# Allegro board 1140022-KU060_PCIE_FIBER_BOARD_V001_pcb166_20240120_1835_pcb.brd (continued)
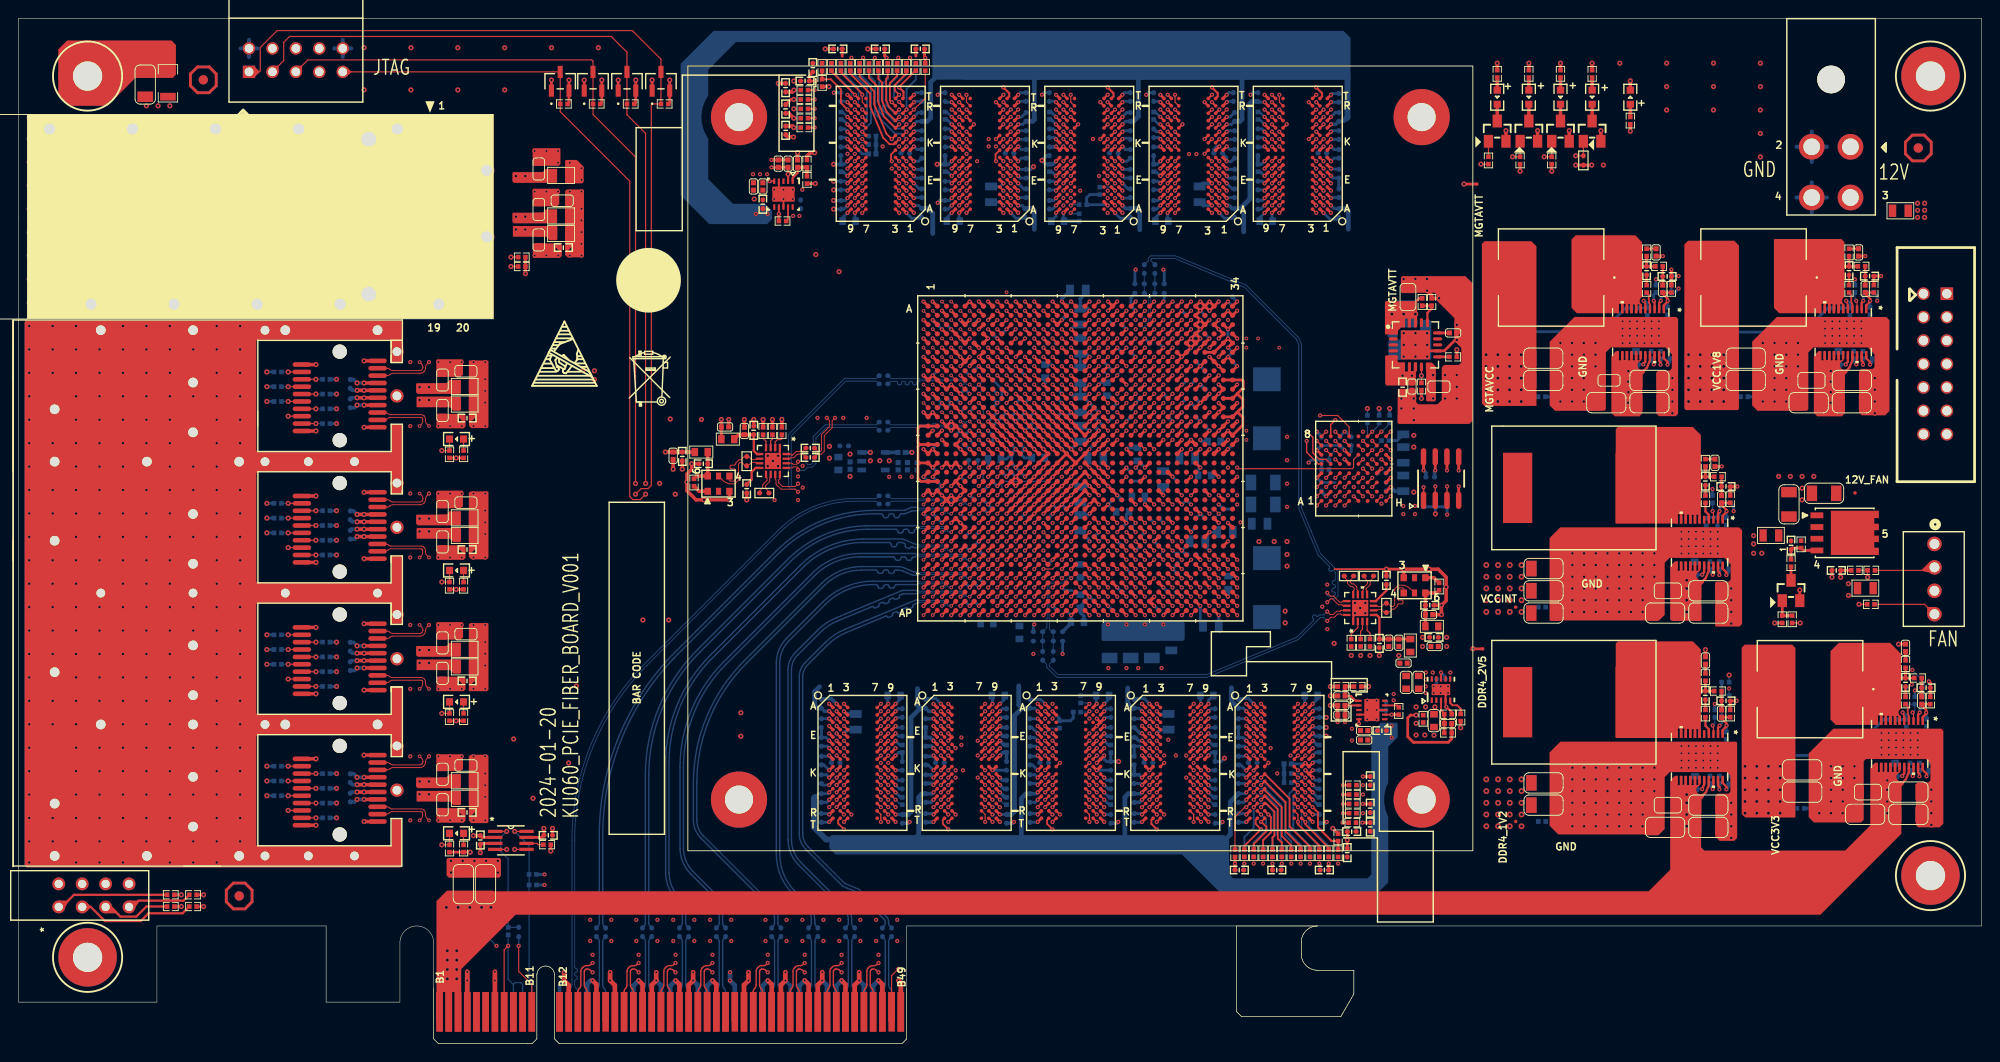
[diagram p0: board, top side]
## Routing (per net, layer and track width the routed paths; a pad name or vN(x,y) marks a point on that pad's centre or on a via; arc(x,y) is an arc through that point) (continued)
N28554380: length 1.4
  TOP w0.381: DS11.1 R701.2
N28593772: length 1.3
  TOP w0.127: R1266.1 48.25,22.8 DS14.1
N28598027: length 4.2
  TOP w0.381: L150.1 C1420.1 X3.6 73.53,61.53 R748.1
N28598035: length 1.7
  TOP w0.381: R748.2 73.78,59.88 X3.1
N28684983: length 4.8
  TOP w0.254: C1399.1 79.71,64.27 80.06,63.92 U131.5
  TOP w0.381: L238.2 78.08,66.02 C1393.1 C1399.1
N28685305: length 1.5
  TOP w0.127: U131.3 81.54,65.36 81.74,65.56 R1245.2
N28685309: length 1.5
  TOP w0.127: R1244.2 80.72,65.61 81.04,65.29 U131.4
N28685388: length 1.9
  TOP w0.127: U131.2 82.04,65.25 82.27,65.48 82.65,65.48 82.75,65.58 R1279.2
N28686665: length 2.4
  TOP w0.102: R1280.2 80.34,59.92 80.68,60.26 80.68,60.6 81.14,61.06 81.14,61.3 81.04,61.41 U131.9
N28686668: length 2.4
  TOP w0.102: R1280.1 81.36,59.82 80.98,60.2 80.98,60.48 81.43,60.94 81.43,61.29 81.54,61.39 U131.10
N28686714: length 2.6
  TOP w0.102: R1281.1 143.71,50.57 144.07,50.21 144.07,49.89 144.42,49.55 144.63,49.55 144.79,49.38 144.79,49.19 144.69,49.09 U129.12
N28686727: length 2.6
  TOP w0.102: R1281.2 144.73,50.6 144.37,50.24 144.37,50.01 144.54,49.84 144.75,49.84 145.09,49.5 145.09,49.22 145.19,49.12 U129.11
N28686755: length 2.4
  TOP w0.102: U129.10 145.69,49.1 145.79,49.2 145.79,49.43 146.23,49.87 146.23,50.19 145.87,50.55 R1282.1
N28686768: length 2.4
  TOP w0.102: U129.9 146.19,49.08 146.09,49.19 146.09,49.31 146.53,49.75 146.53,50.19 146.89,50.55 R1282.2
N28687765: length 1.4
  BOTTOM w0.381: C2512.2 U329.4
N238651613: length 2
  TOP w0.254: U114.4 183.24,34.09 182.87,34.45 R895.1
N238674911: length 7.3
  TOP w0.155: U1.AA9 v1(106.11,59.45)
  BOTTOM w0.127: v1(106.11,59.45) 106.6,59.94 106.6,60.76 106.79,60.95 R2.2
N241274570: length 2
  TOP w0.254: U108.4 183.24,57.33 182.87,57.7 R585.1
N244440853: length 1.9
  TOP w0.203: R919.2 176.73,81.19 176.73,80.42 176.86,80.11 U111.4
N273868450: length 1
  TOP w0.254: R889.1 C1550.2
N273966991: length 1
  TOP w0.305: C1552.2 R915.1
N273990301: length 1
  TOP w0.254: R926.1 C1563.2
N285004771: length 1
  TOP w0.254: R916.1 C1553.2
N285005001: length 1
  TOP w0.305: C1554.2 R917.1
N285016953: length 1.9
  TOP w0.203: U115.4 198.8,80.11 198.68,80.42 198.68,81.19 R1251.2
N285042511: length 1.9
  TOP w0.203: U116.4 204.92,35.48 204.8,35.78 204.8,36.56 R1252.2
N2378000220: length 1.4
  TOP w0.305: U1.AP5 v1(102.11,46.45)
  BOTTOM w0.305: R67.2 102.59,46.94 v1(102.11,46.45)

## Copper pours and planes (outline as drawn; the poured copper is in the pictures)
GND on TOP (solid shape): 52.3,19.99 52.3,18.16 52.12,17.98 46.66,17.98 46.41,18.24 46.41,19.96 46.56,20.12 52.17,20.12
GND on TOP (solid shape): 48.18,31.29 48.18,29.79 47.93,29.54 45.36,29.54 45.29,29.62 45.29,31.32 45.34,31.37 48.11,31.37
GND on TOP (solid shape): 48.18,74.12 48.18,72.54 47.93,72.29 45.36,72.29 45.29,72.37 45.29,74.09 45.39,74.19 48.11,74.19
GND on TOP (solid shape): 48.18,59.87 48.18,58.29 47.93,58.04 45.36,58.04 45.29,58.12 45.29,59.84 45.39,59.95 48.11,59.95
GND on TOP (solid shape): 48.18,45.62 48.18,44.04 47.93,43.79 45.36,43.79 45.29,43.87 45.29,45.59 45.39,45.7 48.11,45.7
GND on TOP (solid shape): 58.62,92.61 58.62,91.03 58.37,90.78 55.8,90.78 55.73,90.86 55.73,92.58 55.83,92.69 58.55,92.69
GND on TOP (solid shape): 58.75,97.03 58.75,95.35 58.57,95.17 55.8,95.17 55.73,95.25 55.73,96.98 55.83,97.08 58.7,97.08
GND on TOP (solid shape): 48.46,68.12 48.46,66.91 48.26,66.7 45.36,66.7 45.31,66.75 45.31,67.49 48.06,67.49 48.06,67.79 47.75,67.79 47.75,67.49 45.31,67.49 45.31,68.2 45.39,68.28 48.31,68.28
GND on TOP (solid shape): 48.46,53.87 48.46,52.66 48.26,52.45 45.36,52.45 45.31,52.5 45.31,53.24 48.08,53.24 48.08,53.52 47.78,53.52 47.78,53.24 45.31,53.24 45.31,53.95 45.39,54.03 48.31,54.03
GND on TOP (solid shape): 48.46,39.62 48.46,38.41 48.26,38.2 45.36,38.2 45.31,38.25 45.31,38.99 48.06,38.99 48.06,39.27 47.75,39.27 47.75,38.99 45.31,38.99 45.31,39.7 45.39,39.78 48.31,39.78
GND on TOP (solid shape): 48.46,25.37 48.46,24.16 48.26,23.95 45.44,23.95 45.31,24.08 45.31,24.77 48.06,24.77 48.06,25.02 47.83,25.02 47.83,24.77 45.31,24.77 45.31,25.45 45.39,25.53 48.31,25.53
GND on TOP (solid shape): 58.9,86.62 58.9,85.4 58.7,85.19 55.8,85.19 55.75,85.24 55.75,85.98 58.52,85.98 58.52,86.26 58.22,86.26 58.22,85.98 55.75,85.98 55.75,86.69 55.83,86.77 58.75,86.77
GND on TOP (solid shape): 208.66,33.91 208.66,23.85 208.25,23.44 205.92,23.44 205.69,23.67 205.69,28.14 205.87,28.32 207.04,28.32 207.26,28.55 207.26,30.35 206.77,30.85 200.26,30.85 200.03,30.61 200.03,24.25 199.75,23.97 194.64,23.97 194.05,24.55 194.05,31.46 196.74,34.15 208.42,34.15
GND on TOP (solid shape): 186.84,55.65 186.84,45.49 186.57,45.21 184,45.21 183.92,45.29 183.92,49.96 184.05,50.09 185.39,50.09 185.6,50.29 185.6,51.99 184.92,52.67 178.99,52.67 178.46,52.13 178.46,46.48 177.85,45.87 165.97,45.87 165.97,54.8 167.14,55.97 186.52,55.97
GND on TOP (solid shape): 179.91,78.56 179.91,68.28 179.66,68.02 177.82,68.02 177.55,68.3 177.55,72.77 177.75,72.97 178.99,72.97 179.22,73.2 179.22,74.78 178.52,75.48 172.61,75.48 172.08,74.94 172.08,68.78 171.9,68.61 166.57,68.61 165.99,69.19 165.99,76.1 168.67,78.78 179.69,78.78
GND on TOP (solid shape): 186.31,32.61 186.31,22.3 185.98,21.97 184.4,21.97 183.95,22.43 183.95,26.9 184.15,27.1 185.37,27.1 185.57,27.3 185.57,29.06 185.2,29.43 178.99,29.43 178.46,28.89 178.46,23.26 177.8,22.61 176.28,22.61 176.21,22.67 166.92,22.67 165.97,23.62 165.97,31.56 167.14,32.73 186.19,32.73
GND on TOP (solid shape): 200.55,78.78 202.47,78.78 202.82,78.44 202.82,68.58 202.36,68.12 199.83,68.12 199.52,68.43 199.52,72.87 199.8,73.15 200.45,73.15 200.45,73.15 200.99,73.15 201.19,73.36 201.19,74.76 200.47,75.48 194.56,75.48 194.02,74.94 194.02,68.78 193.85,68.61 188.52,68.61 187.93,69.19 187.93,76.1 190.62,78.78 200.55,78.78
GND on TOP (solid shape): 157.63,82.42 157.63,67.54 157.28,67.18 149.61,67.18 149.5,67.28 149.5,70.82 149.68,70.99 151.38,70.99 151.51,70.87 151.51,69.55 151.74,69.32 153.82,69.32 154.28,69.77 154.28,73.3 154.56,73.58 156.13,73.58 156.41,73.86 156.41,75.41 155.65,76.17 155.65,76.66 156.31,76.66 156.31,76.96 156.08,76.96 156.08,76.66 155.65,76.66 155.65,78.66 153.77,80.54 153.77,81.15 153.52,81.41 149.91,81.41 149.86,81.46 149.86,83.06 150.01,83.21 156.84,83.21
GND on TOP (solid shape): 51.46,78.82 0.97,78.82 0.97,98.91 34.49,98.91 34.49,80.52 34.85,80.16 37.46,80.16 37.5,80.14 37.59,80.11 37.68,80.08 37.78,80.06 37.88,80.05 37.97,80.05 38.07,80.05 38.17,80.06 38.26,80.08 38.35,80.11 38.44,80.14 38.49,80.16 49.14,80.16 49.14,81.56 50.54,81.56 50.54,97.76 49.24,97.76 49.24,99.16 49.14,99.16 49.14,99.17 49.08,99.16 38.51,99.16 38.47,99.19 38.37,99.22 38.27,99.25 38.17,99.27 38.07,99.28 37.97,99.29 37.87,99.28 37.77,99.27 37.67,99.25 37.57,99.22 37.48,99.19 37.43,99.16 34.75,99.16 34.49,98.91 0.97,98.91 0.97,100.69 1.02,100.74 51.46,100.74
GND on TOP (solid shape): 41.66,73.91 40.51,73.91 40.39,74.04 40.39,76.17 40.31,76.25 25.83,76.25 25.78,76.2 25.78,64.31 25.88,64.21 40.28,64.21 40.44,64.36 40.44,67.16 41.53,67.16 41.61,67.08 41.61,59.59 40.51,59.59 40.46,59.64 40.46,61.87 40.34,62 25.93,62 25.78,61.85 25.78,50.09 25.88,49.99 40.34,49.99 40.46,50.11 40.46,52.86 40.51,52.91 41.53,52.91 41.63,52.81 41.63,45.47 41.58,45.42 40.51,45.42 40.41,45.52 40.41,47.65 40.31,47.75 25.88,47.75 25.78,47.65 25.78,35.81 25.88,35.71 40.23,35.71 40.39,35.86 40.39,38.63 40.41,38.66 41.5,38.66 41.58,38.58 41.58,31.14 41.53,31.09 40.46,31.09 40.41,31.14 40.41,33.35 40.26,33.5 25.93,33.5 25.78,33.35 25.78,21.54 25.91,21.41 40.26,21.41 40.44,21.59 40.44,24.36 41.53,24.36 41.53,19.2 41.43,19.1 0.89,19.1 0.66,19.33 0.66,78.23 0.79,78.36 41.66,78.36
GND on BOTTOM (solid shape): 153.16,78.31 153.16,74.24 153.03,74.12 148.84,74.12 148.49,74.47 148.49,76.17 148.59,76.28 149.63,76.28 149.83,76.48 149.83,77.29 149.89,77.34 151.84,77.34 151.94,77.44 151.94,78.38 152.02,78.46 153.01,78.46
GND on BOTTOM (solid shape): 41.66,73.91 40.51,73.91 40.39,74.04 40.39,76.17 40.31,76.25 25.83,76.25 25.78,76.2 25.78,64.31 25.88,64.21 40.28,64.21 40.44,64.36 40.44,67.16 41.53,67.16 41.61,67.08 41.61,59.59 40.51,59.59 40.46,59.64 40.46,61.87 40.34,62 25.93,62 25.78,61.85 25.78,50.09 25.88,49.99 40.34,49.99 40.46,50.11 40.46,52.86 40.51,52.91 41.53,52.91 41.63,52.81 41.63,45.47 41.58,45.42 40.51,45.42 40.41,45.52 40.41,47.65 40.31,47.75 25.88,47.75 25.78,47.65 25.78,35.81 25.88,35.71 40.23,35.71 40.39,35.86 40.39,38.63 40.41,38.66 41.5,38.66 41.58,38.58 41.58,31.14 41.53,31.09 40.46,31.09 40.41,31.14 40.41,33.35 40.26,33.5 25.93,33.5 25.78,33.35 25.78,21.54 25.91,21.41 40.26,21.41 40.44,21.59 40.44,24.36 41.53,24.36 41.53,19.2 41.43,19.1 0.89,19.1 0.66,19.33 0.66,78.23 0.79,78.36 41.66,78.36
GND on TOP: 12.85,103.23 17.65,103.23 17.73,103.15 17.73,100.36 17.46,100.09 13.09,100.09 12.7,100.48 12.7,103.07
GND on TOP: 155.22,37.77 150.14,37.77 149.99,37.92 149.99,38.76 150.04,38.81 152.88,38.81 153.06,38.99 155.19,38.99 155.24,38.94 155.24,37.8
GND on TOP: 151.18,33.35 151.18,34.87 151.33,35.03 152.45,35.03 152.81,34.67 153.92,34.67 153.99,34.61 153.99,33.21 153.92,33.15 151.38,33.15
GND on TOP: 149.86,43.28 149.91,43.23 149.91,40.97 149.83,40.89 142.9,40.89 140.56,43.23 140.56,49.71 142.39,51.54 142.72,51.54 142.8,51.46 142.8,50.24 142.04,49.48 141.71,49.48 141.35,49.12 141.35,45.39 141.55,45.19 142.27,45.19 142.6,44.86 142.6,43.84 143.15,43.28 ; 6 cut-outs
GND on TOP: 146.02,32.56 146.02,37.31 146.08,37.36 147.42,37.36 147.52,37.26 147.52,32.64 147.4,32.51 146.08,32.51
GND on TOP: 194.97,61.54 194.97,58.9 194.96,58.89 194.96,58.71 194.89,58.65 190.65,58.65 190.45,58.85 190.45,61.8 190.47,61.82 194.69,61.82
GND on TOP: 198.04,50.14 199.72,50.14 199.8,50.06 199.8,48.54 199.78,48.53 199.78,48.35 199.67,48.23 197.89,48.23 197.84,48.29 197.84,49.94
GND on TOP: 152.07,44.35 153.11,44.35 153.24,44.22 153.24,42.88 153.09,42.72 152.02,42.72 151.92,42.82 151.92,44.2 ; 2 cut-outs
GND on TOP: 79.32,92.79 84.07,92.79 84.12,92.74 84.12,91.39 84.02,91.29 79.4,91.29 79.27,91.41 79.27,92.74 ; 3 cut-outs
GND on TOP: 68.33,68.94 68.33,58.04 70.15,56.21 94.03,56.21 95.25,57.43 95.25,67.92 93.17,70 69.39,70 ; 1 cut-out
GND on BOTTOM: 185.87,21.92 184.25,21.92 183.95,22.23 183.95,26.21 184.23,26.49 185.9,26.49 186.02,26.37 186.02,22.07
GND on BOTTOM: 177.77,23.05 177.77,28.44 178.06,28.73 185.5,28.73 185.5,28.73 185.65,28.73 185.67,28.75 185.67,33.15 185.61,33.21 166.46,33.21 165.42,32.17 165.42,23.37 166.09,22.7 177.42,22.7 ; 6 cut-outs
GND on BOTTOM: 185.87,45.16 184.14,45.16 183.76,45.54 183.76,48.62 183.76,48.62 183.76,49.75 184.07,50.06 185.75,50.06 186.02,49.79 186.02,45.32
GND on BOTTOM: 53.62,78.16 53.62,100.46 51.66,102.41 24.21,102.41 23.32,103.3 23.32,109.4 23.95,110.03 69.01,110.03 70.18,108.86 70.18,90.65 82.05,78.78 82.05,64.43 82.55,63.93 82.55,59.03 67.92,44.4 67.82,44.4 53.59,30.18 47.09,30.18 46.56,30.71 46.56,76.33 47.5,77.27 52.73,77.27
GND on BOTTOM: 201.44,67.97 199.71,67.97 199.33,68.35 199.33,71.43 199.33,71.43 199.33,72.56 199.64,72.87 201.32,72.87 201.59,72.6 201.59,68.13
GND on BOTTOM: 90.7,64.95 90.7,63.55 90.75,63.5 96.52,63.5 96.7,63.68 96.7,64.36 96.72,64.39 97.49,64.39 97.66,64.21 97.66,62.76 97.64,62.74 95.05,62.74 94.92,62.87 89.71,62.87 89.66,62.92 89.66,65.02 89.71,65.07 90.58,65.07
GND on BOTTOM: 171.39,68.8 171.39,72.13 174.04,74.78 178.75,74.78 178.76,74.78 179.36,74.78 179.4,74.83 179.4,79.15 179.29,79.26 174.37,79.26 171.44,76.33 166.37,76.33 166.11,76.07 166.11,69.06 166.57,68.61 171.19,68.61 ; 6 cut-outs
GND on BOTTOM: 151.21,34.98 153.87,34.98 154.13,34.72 154.13,33.27 153.82,32.97 151.28,32.97 151.1,33.15 151.1,34.87
GND on BOTTOM: 81.69,92.89 84.18,92.89 84.19,92.88 85.1,92.88 85.45,92.53 85.45,91.39 85.17,91.11 81.71,91.11 81.56,91.26 81.56,92.76 ; 1 cut-out
GND on BOTTOM: 132.54,54.15 131.11,54.15 130.89,54.38 130.89,54.58 131.22,54.91 131.22,58.29 130.81,58.7 130.81,61.37 131.11,61.67 133.88,61.67 134.1,61.46 134.1,55.71 ; 1 cut-out
GND on BOTTOM: 0.97,100.69 0.97,78.82 51.46,78.82 51.46,100.74 1.02,100.74 ; 1 cut-out
GND on BOTTOM: 158.34,109.83 200.18,109.83 201.73,108.28 201.73,85.88 200.71,84.86 160.02,84.86 157.28,87.6 157.28,108.76
GND on BOTTOM: 149.48,60.33 151.49,60.33 151.64,60.17 151.64,59.56 151.43,59.36 149.48,59.36 149.4,59.44 149.4,60.25
GND on BOTTOM: 118.28,51.89 117.48,51.89 117.45,51.87 115.93,51.87 115.65,51.59 114.5,51.59 114.17,51.26 113.84,51.26 113.33,51.77 113.2,51.77 113.2,51.77 112.75,51.77 112.57,51.95 112.57,52.73 112.37,52.93 111.99,52.93 111.89,53.04 111.89,54.48 112.09,54.69 114.35,54.69 116,53.04 118.16,53.04 118.41,52.78 118.41,52.02
GND on BOTTOM: 114.09,75.77 113.46,75.14 112.42,75.14 112.29,75.26 112.29,76.66 112.68,77.04 117.39,77.04 117.52,76.91 117.52,75.9 117.39,75.77
GND on BOTTOM: 151.51,67.44 151.38,67.31 149.5,67.31 149.4,67.41 149.4,70 149.61,70.21 151.36,70.21 151.51,70.05
GND on BOTTOM: 177.77,45.91 177.77,51.02 178.7,51.96 180.45,51.96 180.47,51.97 185.13,51.97 185.14,51.97 185.73,51.97 185.78,52.02 185.78,56.34 185.66,56.45 167.32,56.45 165.42,54.55 165.42,46.35 166.09,45.69 177.55,45.69 ; 8 cut-outs
GND on BOTTOM: 199.46,24.17 199.46,27.5 202.1,30.14 207.34,30.14 207.39,30.2 207.39,34.52 207.29,34.62 202.31,34.62 198.53,30.84 194.41,30.84 194.18,30.61 194.18,24.43 194.64,23.97 199.26,23.97 ; 6 cut-outs
GND on BOTTOM: 146.2,37.52 147.4,37.52 147.52,37.39 147.52,35.1 147.32,34.9 146.08,34.9 145.95,35.03 145.95,37.26
GND on BOTTOM: 136.73,70.69 132.18,70.69 131.88,70.99 131.88,73.48 132.08,73.69 132.08,76.66 132.16,76.73 136.42,76.73 136.91,76.25 136.91,70.87
GND on BOTTOM: 179.49,67.97 177.76,67.97 177.38,68.35 177.38,71.43 177.39,71.43 177.39,72.56 177.7,72.87 179.37,72.87 179.64,72.6 179.64,68.13
GND on BOTTOM: 137.44,47.6 137.57,47.47 137.57,44.78 137.31,44.53 133.81,44.53 133.68,44.65 133.68,47.55 133.73,47.6
GND on BOTTOM: 144.45,48.72 146.79,48.72 146.89,48.62 146.89,46.25 146.46,45.82 144.5,45.82 144.27,46.05 144.27,48.54
GND on BOTTOM: 207.56,23.34 205.83,23.34 205.45,23.72 205.45,26.79 205.45,26.79 205.45,27.93 205.76,28.24 207.44,28.24 207.71,27.97 207.71,23.49
GND on BOTTOM: 109.91,44.17 110.31,43.76 110.31,42.24 110.01,41.94 102.03,41.94 99.85,44.12 99.85,46.56 100.03,46.74 101.14,46.74 101.84,46.04 101.85,46.05 103.43,46.05 104.06,46.69 104.29,46.69 104.67,46.3 104.67,44.86 105.36,44.17
GND on BOTTOM: 155.09,37.74 153.21,37.74 153.14,37.82 153.14,38.89 153.21,38.96 153.75,38.96 153.76,38.95 153.8,38.99 155.19,38.99 155.22,38.96 155.22,37.87
GND on BOTTOM: 117.42,40.74 117.42,42.37 117.45,42.39 123.67,42.39 124.33,43.05 125.55,43.05 125.63,42.98 125.63,40.79 125.32,40.49 117.68,40.49
GND on BOTTOM: 193.33,68.8 193.33,72.13 195.98,74.78 201.02,74.78 201.03,74.79 201.31,74.79 201.37,74.85 201.37,79.17 201.29,79.26 196.34,79.26 193.41,76.33 188.31,76.33 188.06,76.07 188.06,69.06 188.52,68.61 193.14,68.61 ; 6 cut-outs
GND on GND02, GND04, GND06, GND09, GND11, GND13: 45.78,0.64 45.64,0.77 45.64,10.92 43.18,13.39 40.72,10.92 40.72,5.13 33.99,5.13 33.99,13.39 14.38,13.39 14.38,5.13 0.64,5.13 0.64,110.51 212.16,110.51 212.16,13.39 95.66,13.39 95.66,0.77 95.52,0.64 58.87,0.64 58.74,0.77 58.74,7.45 57.15,9.04 55.56,7.45 55.56,0.77 55.43,0.64
GND on ART03: 0.64,19.02 0.64,109.75 1.02,110.13 68.63,110.13 69.06,109.7 69.04,109.68 69.04,85.5 85.19,69.34 85.19,51.08 75.3,41.19 75.3,23.76 73.71,22.17 49,22.17 48.31,21.49 48.31,18.39 48.16,18.24 13.74,18.24 13.31,18.67 0.99,18.67
GND on ART03: 159.38,108.86 160.05,109.52 211.35,109.52 212.16,108.71 212.16,23.65 210.59,22.07 160.58,22.07 159.38,23.27
GND on ART05: 166.83,95.15 170.1,91.87 170.1,18.49 169.14,17.53 56.46,17.53 56.16,17.83 56.16,18.75 57.63,20.22 161.11,20.22 164.92,24.03 164.92,55.65 162.41,58.17 151.56,58.17 150.39,59.33 150.39,66.83 150.01,67.21 147.93,67.21 146.23,68.91 146.23,97.21 146.91,97.89 153.19,97.89 154.91,99.62 166.37,99.62 166.83,99.16
GND on ART05: 0.64,19.05 0.64,101.14 1.27,101.78 40.26,101.78 40.3,101.74 57.82,101.74 58.04,101.52 71.75,101.52 75.56,105.33 84.53,105.33 85.27,104.6 85.27,77.06 83.82,75.62 57.25,75.62 55.45,77.42 55.45,89.79 53.21,92.02 45.16,92.02 44.75,91.62 42.49,91.62 41.62,90.74 41.62,74.76 41.38,74.52 28.14,74.52 27.41,73.79 27.41,19.41 26.8,18.8 0.89,18.8
GND on PWER07: 45.78,0.64 45.64,0.77 45.64,10.92 43.18,13.39 40.72,10.92 40.72,5.13 33.99,5.13 33.99,13.39 14.38,13.39 14.38,5.13 0.64,5.13 0.64,110.51 212.16,110.51 212.16,13.39 95.66,13.39 95.66,0.77 95.52,0.64 58.87,0.64 58.74,0.77 58.74,7.45 57.15,9.04 55.56,7.45 55.56,0.77 55.43,0.64 ; 1 cut-out
GND on PWER08: 45.78,0.64 45.64,0.77 45.64,10.92 43.18,13.39 40.72,10.92 40.72,5.13 33.99,5.13 33.99,13.39 14.38,13.39 14.38,5.13 0.64,5.13 0.64,18.39 2.21,18.39 2.21,16.46 3.35,15.32 200.64,15.32 208.05,22.73 208.05,100.94 198.86,110.13 40.94,110.13 40.06,109.25 40.06,76.13 39.85,75.92 26.29,75.92 25.25,74.88 25.25,19.33 24.81,18.9 0.64,18.9 0.64,110.51 212.16,110.51 212.16,13.39 95.66,13.39 95.66,0.77 95.52,0.64 58.87,0.64 58.74,0.77 58.74,7.45 57.15,9.04 55.56,7.45 55.56,0.77 55.43,0.64
GND on ART10: 0.64,19.1 0.64,100.91 1.5,101.78 40.34,101.78 41.35,100.76 41.35,30.23 41.63,29.95 50.04,29.95 66.34,46.25 74.19,46.25 74.9,45.54 74.9,24.36 84.51,14.76 95.1,14.76 95.53,14.33 95.53,13.36 94.39,12.22 51.46,12.22 45.14,18.54 1.19,18.54
GND on ART10: 158.22,32.79 158.22,43.59 156.11,45.69 150.34,45.69 148.39,43.74 148.39,33.12 148.21,32.94 141.27,32.94 141.1,33.12 141.1,37.72 136.25,42.57 136.25,49.25 140.82,53.82 140.84,53.82 141.17,54.15 156.64,54.15 158.22,55.73 158.22,83.62 169.42,94.82 169.42,96.67 168.91,97.18 158.72,97.18 158.22,97.69 158.22,107.67 159.82,109.27 210.97,109.27 211.57,108.67 211.57,80.51 210.92,79.86 205.77,79.86 204.01,78.11 204.01,73.51 202.92,72.42 202.92,44.75 206.38,41.3 206.38,29.41 200.03,23.06 195.15,23.06 194.06,24.16 194.06,30.84 193.68,31.22 159.79,31.22
GND on ART12: 141.68,52.15 146.91,52.15 148.77,54 177.11,54 187.88,64.77 187.88,92.96 183.64,97.21 159.99,97.21 158.19,99.01 158.19,108.69 159.52,110.02 210.76,110.02 211.38,109.4 211.38,15.34 210.77,14.73 141.22,14.73 140.94,15.01 140.94,51.41
GND on ART12: 0.64,19.1 0.64,100.91 1.5,101.78 40.34,101.78 41.35,100.76 41.35,19.81 40.08,18.54 1.19,18.54
VCC1V8 on TOP (solid shape): 186.5,86.54 186.5,68.82 186.36,68.68 180.75,68.68 180.58,68.84 180.58,86.64 180.99,87.05 185.99,87.05
VCC1V8 on TOP (solid shape): 149.5,74.55 149.5,73.96 149.61,73.86 150.29,73.86 150.29,72.87 150.62,72.87 150.62,73.86 150.95,73.86 150.95,72.92 151.26,72.92 151.26,73.86 151.56,73.86 151.61,73.81 151.61,72.95 151.49,72.82 151.49,71.5 151.33,71.35 148.31,71.35 148.16,71.5 148.16,74.55 148.23,74.63 149.43,74.63
VCC1V8 on BOTTOM: 114.42,62.36 114.42,62.77 114.2,62.99 110.87,62.99 110.87,63.88 111,64.01 114.17,64.01 114.83,64.67 116,64.67 116.33,64.34 116.33,62.74 115.9,62.31 115.9,62.29 115.82,62.36 115.7,62.23 114.55,62.23
VCC1V8 on BOTTOM: 149.48,66.47 151.46,66.47 151.61,66.32 151.61,64.39 151.46,64.24 149.5,64.24 149.4,64.34 149.4,66.4
VCC1V8 on BOTTOM: 181.12,69.14 180.67,69.6 180.67,77.19 180.97,77.5 186.32,77.5 186.5,77.32 186.5,71.12 186.88,70.74 186.88,69.37 186.65,69.14 ; 1 cut-out
VCC1V8 on ART03: 153.52,57.78 154.91,57.78 155.09,57.61 155.09,57.15 149.45,51.51 149.45,50.24 149,49.78 149,17.73 146.23,14.96 53.14,14.96 49.72,18.38 49.72,20.97 49.81,21.06 52.37,21.06 52.7,20.73 55.22,20.73 55.65,21.16 57.68,21.16 61.86,16.98 144.75,16.98 146.48,18.71 146.48,50.5 153.52,57.53
VCC1V8 on ART05: 26.49,110.31 72.29,110.31 72.3,110.3 171.03,110.3 172.19,109.14 172.19,94.95 171.91,94.67 168.07,94.67 167.56,95.17 167.56,107.04 166.75,107.85 75.29,107.85 71.65,104.22 26.54,104.22 26.16,104.6 26.16,109.98
VCC1V8 on ART10: 126.92,61.34 126.36,61.9 119.94,61.9 118.77,63.07 118.77,64.69 117.93,65.53 117.93,68.99 119.55,70.6 119.55,70.95 120.71,72.12 121.22,72.12 121.46,72.36 121.46,72.52 122.9,73.95 151.18,73.95 151.49,73.65 151.49,71.81 151.82,71.48 154.84,71.48 155.52,70.79 155.52,57.56 154.64,56.67 138.94,56.67 134.26,61.34
VCC1V8 on ART12: 145.75,53.29 130.18,53.29 128.83,54.64 123.09,54.64 120.75,56.97 119.25,56.97 117.47,58.75 111.89,58.75 111.63,58.5 111.63,58.19 111.28,57.84 109.02,57.84 108.69,57.51 108.69,56.08 108.47,55.87 104.03,55.87 103.48,56.41 103.48,58.7 103.84,59.05 104.29,59.05 104.42,59.18 104.42,69.65 104.5,69.72 106.63,69.72 106.83,69.52 106.83,68.05 127.36,68.05 128.52,69.22 134.72,69.22 161.35,95.84 182.73,95.84 186.74,91.83 186.74,65.84 176.14,55.23 147.69,55.23
VCC3V3 on TOP (solid shape): 61.26,95.07 61.26,93.42 61.11,93.27 59.33,93.27 59.26,93.34 59.26,95.73 59.33,95.81 60.53,95.81
VCC3V3 on TOP (solid shape): 192.62,42.9 192.62,24.5 187.21,24.5 186.8,24.91 186.8,42.92 187.12,43.25 192.27,43.25
VCC3V3 on TOP (solid shape): 153.64,73.41 153.64,69.75 153.52,69.62 152.7,69.62 152.59,69.74 152.59,73.8 152.63,73.84 153.21,73.84
VCC3V3 on TOP (solid shape): 61.3,92.52 61.3,85.36 61.19,85.24 59.54,85.24 59.26,85.52 59.26,85.98 59.97,85.98 59.97,86.28 59.64,86.28 59.64,85.98 59.26,85.98 59.26,92.43 59.44,92.61 61.21,92.61
VCC3V3 on TOP (solid shape): 50.95,59.82 50.95,52.7 50.75,52.5 49.1,52.5 48.82,52.78 48.82,53.14 49.5,53.14 49.5,53.49 49.12,53.49 49.12,53.14 48.82,53.14 48.82,59.69 49,59.87 50.9,59.87
VCC3V3 on TOP (solid shape): 50.95,31.19 50.95,24.03 50.83,23.9 49.1,23.9 48.82,24.18 48.82,24.71 49.48,24.71 49.48,25.04 49.17,25.04 49.17,24.71 48.82,24.71 48.82,31.11 49.02,31.32 50.83,31.32
VCC3V3 on TOP (solid shape): 50.95,45.52 50.95,38.35 50.8,38.2 48.87,38.2 48.82,38.25 48.82,38.94 49.5,38.94 49.5,39.24 49.17,39.24 49.17,38.94 48.82,38.94 48.82,45.44 48.97,45.59 50.88,45.59
VCC3V3 on TOP (solid shape): 50.95,73.96 50.95,66.85 50.83,66.73 49.07,66.73 48.84,66.95 48.84,67.41 49.5,67.41 49.5,67.79 49.12,67.79 49.12,67.41 48.84,67.41 48.82,67.44 48.82,74.04 48.84,74.07 50.85,74.07
VCC3V3 on TOP: 149.99,39.24 149.96,39.27 149.96,40.13 150.27,40.44 150.27,42.67 150.39,42.8 151.36,42.8 151.76,42.39 153.42,42.39 153.64,42.62 153.64,45.62 153.77,45.75 155.02,45.75 155.6,45.16 155.6,39.29 155.55,39.24 155.09,39.24 155.09,39.83 154.84,39.83 154.84,39.24 153.57,39.24 153.57,39.85 153.34,39.85 153.34,39.24 ; 3 cut-outs
VCC3V3 on BOTTOM: 89.28,64.95 89.28,63.3 89.2,63.22 87.99,63.22 87.97,63.23 87.57,63.23 87.53,63.27 87.53,64.82 87.76,65.05 89.18,65.05
VCC3V3 on BOTTOM: 106.4,47.24 106.4,48.69 106.2,48.9 105.66,48.9 105.4,49.16 105.4,49.7 105.05,50.04 105.05,53.9 105.35,54.19 105.35,54.67 105.64,54.97 110.77,54.97 111.25,54.48 111.25,52.93 111.07,52.76 109.91,52.76 109.7,52.55 109.7,49.35 110.36,48.69 110.36,48.29 109.78,47.7 109.78,46.13 109.77,46.11 109.77,45.73 108.97,44.93 105.59,44.93 105.41,45.11 105.41,46.89 105.66,47.14 106.3,47.14 ; 3 cut-outs
VCC3V3 on BOTTOM: 187.09,24.5 186.79,24.81 186.79,31.65 187.19,32.05 192.47,32.05 192.62,31.9 192.62,26.49 193,26.11 193,24.73 192.78,24.5 ; 1 cut-out
VCC3V3 on ART03: 153.62,73.2 156.34,73.2 157.53,72.01 157.53,46.05 158.62,44.96 158.62,22.86 159.69,21.79 186.11,21.79 186.69,22.38 186.69,30.02 187.1,30.43 191.74,30.43 192.19,29.98 192.19,15.23 191.69,14.73 151.26,14.73 150.16,15.82 150.16,43.51 151.84,45.19 155.02,45.19 155.6,45.77 155.6,66.6 152.7,69.49 152.7,72.29
VCC3V3 on PWER08: 3.56,15.82 2.72,16.67 2.72,18.39 25.02,18.39 25.76,19.12 25.76,74.67 26.5,75.41 40.06,75.41 40.56,75.92 40.56,109.04 41.15,109.63 198.65,109.63 207.54,100.73 207.54,22.94 200.43,15.82 ; 1 cut-out
VCC3V3 on ART10: 152.63,44.98 155.6,44.98 157.45,43.13 157.45,32.64 159.66,30.43 191.06,30.43 191.41,30.07 191.41,22.15 190.98,21.72 156.82,21.72 154.62,23.91 154.62,27.95 150.11,32.46 150.11,43.94 151.14,44.97 152.62,44.97
VCC12V on TOP (solid shape): 182.36,52.25 182.36,52.07 182.36,52.05 182.32,51.95 182.3,51.85 182.3,51.29 182.21,51.2 182.2,51.2 181.91,50.56 182.56,50.3 182.66,50.29 182.7,50.21 182.7,49.97 182.42,49.68 182.42,46.02 182.25,45.85 179.18,45.85 179.05,45.97 179.05,51.77 179.54,52.26 179.86,52.26 179.86,51.32 179.91,51.27 180.04,51.27 180.09,51.32 180.09,52.26 180.37,52.26 180.37,51.36 180.42,51.31 180.53,51.31 180.59,51.36 180.59,52.27 180.88,52.27 180.88,51.31 180.93,51.26 181.04,51.26 181.1,51.31 181.1,52.27 181.37,52.27 181.37,51.32 181.42,51.27 181.55,51.27 181.6,51.32 181.6,52.26 181.87,52.26 181.87,51.33 181.92,51.28 182.05,51.28 182.1,51.33 182.1,52.26 182.14,52.29 182.32,52.29